# Altium PCB Layout.PcbDoc (part 2 of 2) (continued)
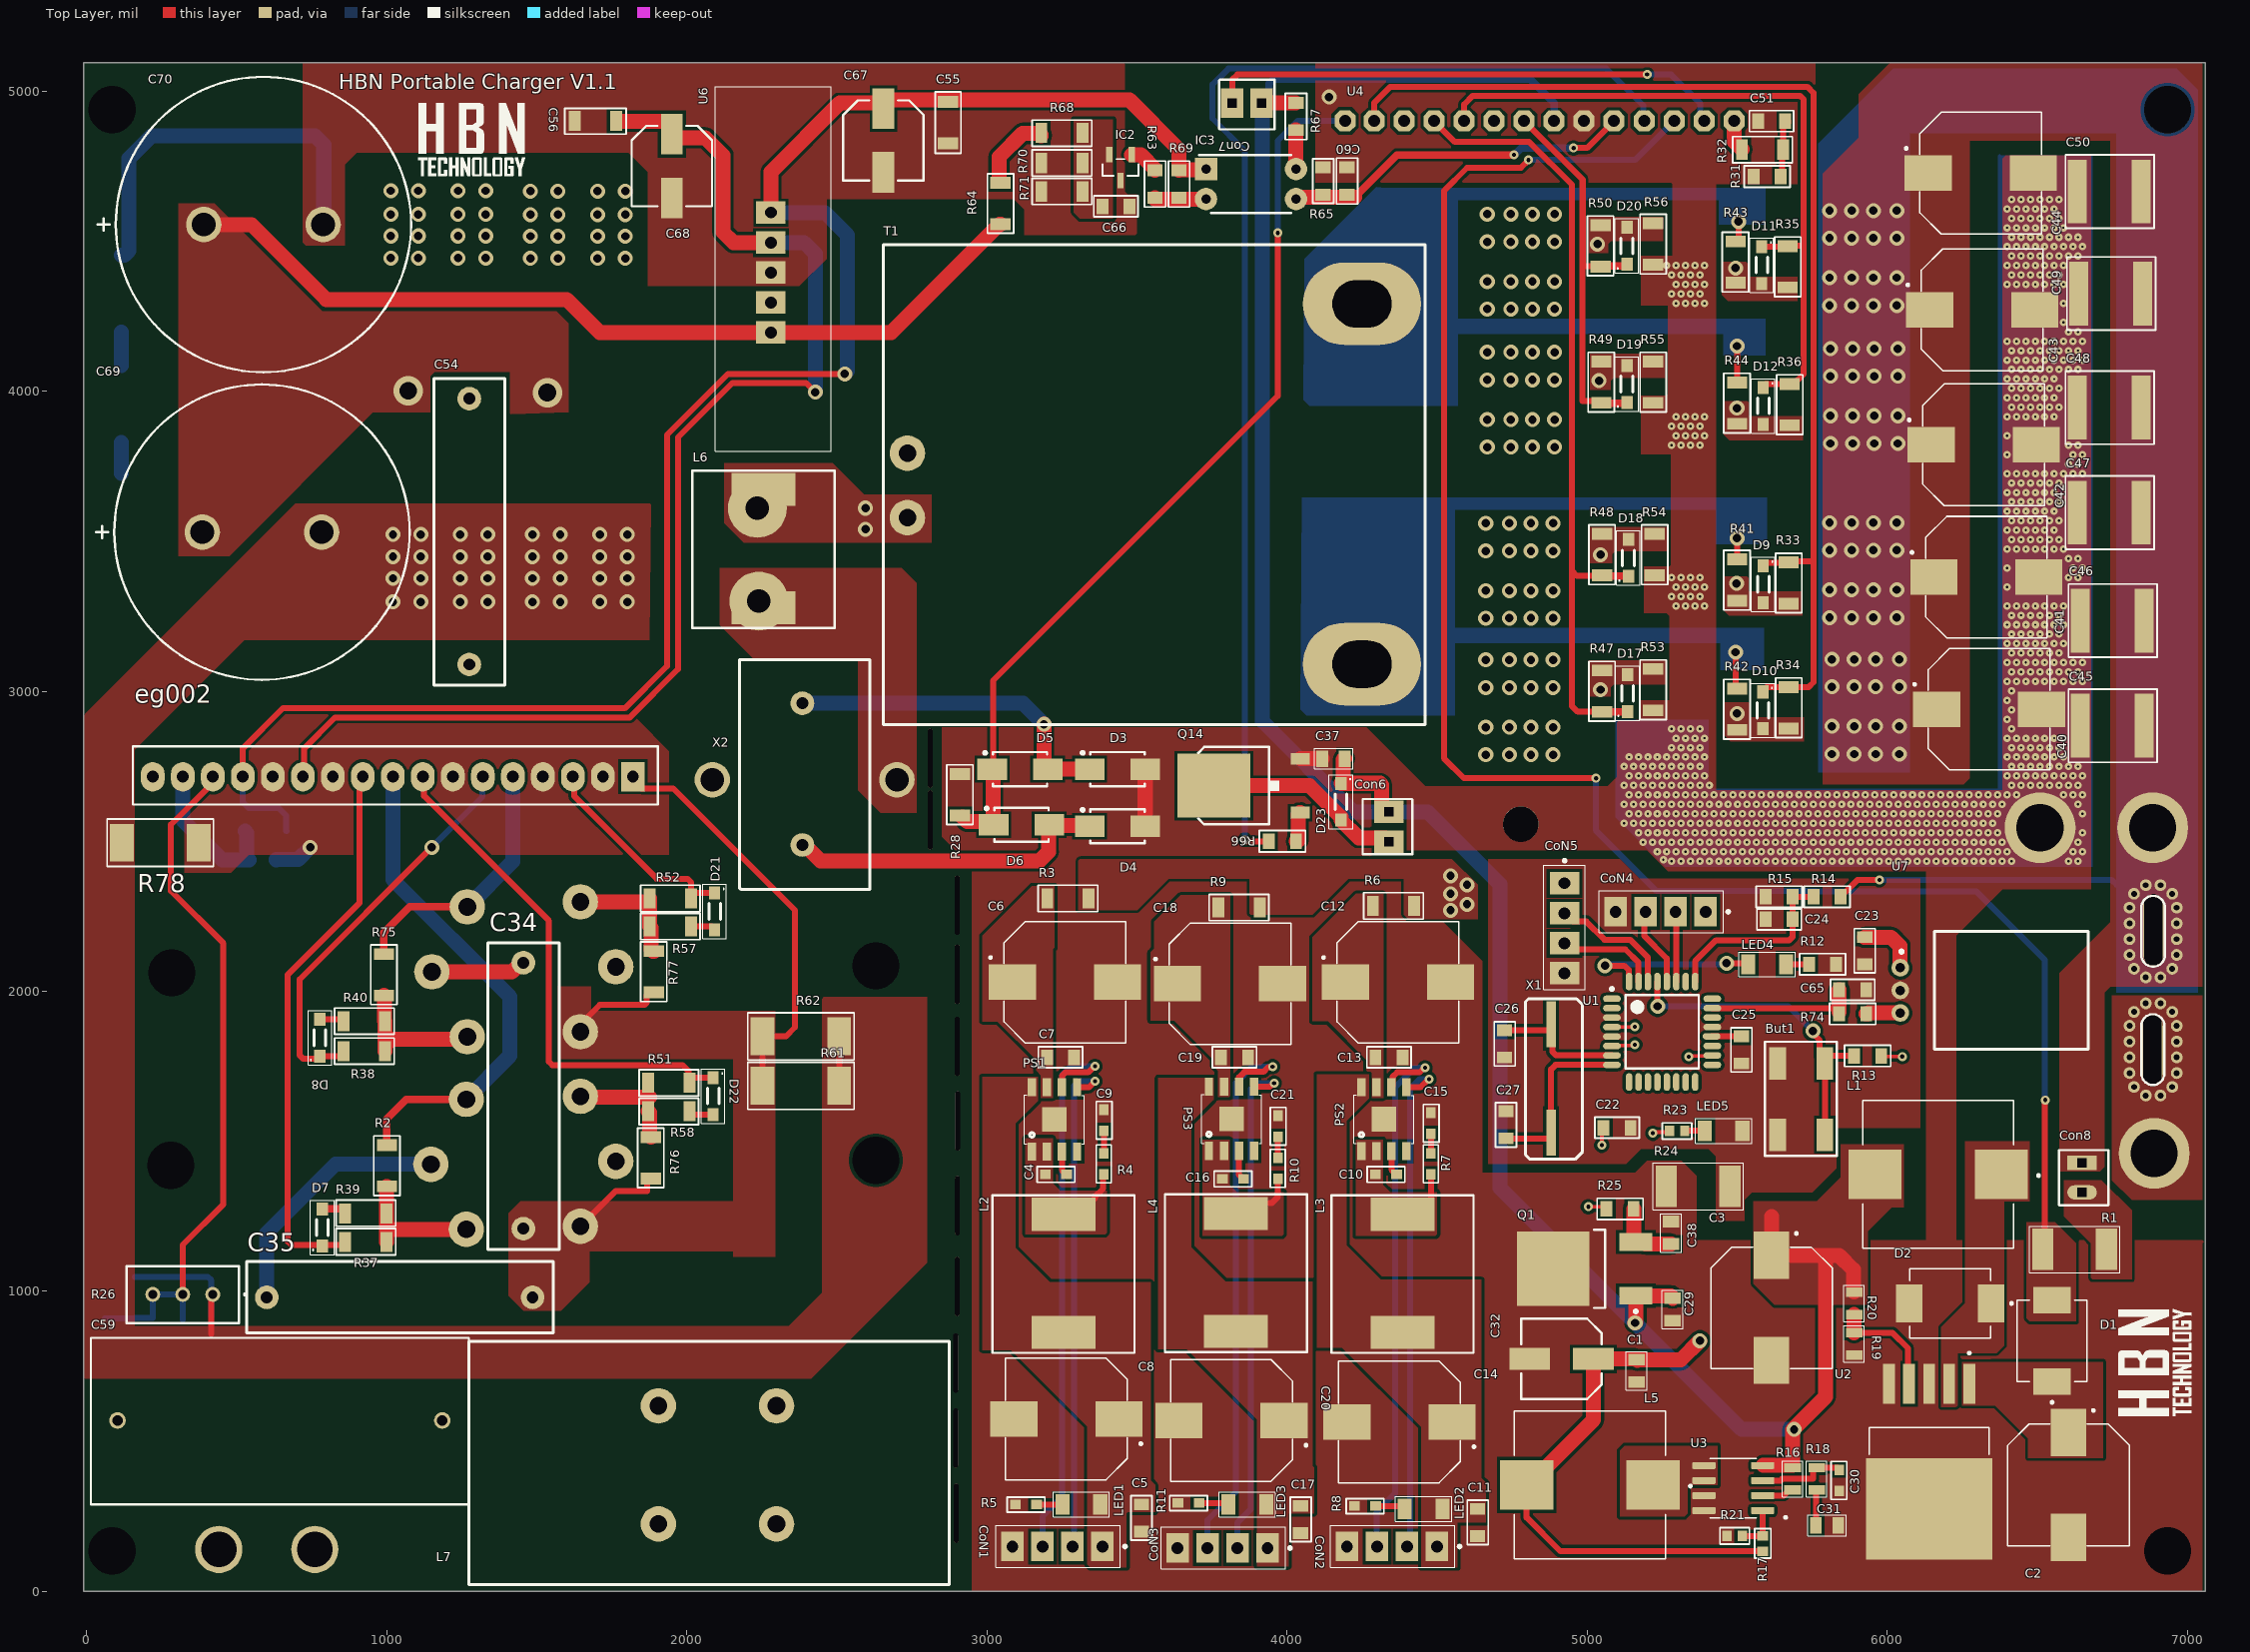
[diagram p0: Top Layer view]
## Nets (pads, with @x,y where several pads share a name; then routed paths per layer and width w, separated by ;. In a path a pad name is that pad's centre, name@x,y a point inside that pad or via, vN(x,y) a via of type N, cw(c..) or ccw(c..) an arc to the next point about the centre after c; other vN are vias at no path point) (continued)
  Top Layer w20: U1.20@5415,1850 5514.72,1850 C25.1@5515,1850.28
NetC26_2: C26.2 U1.7 X1.1 | length 434.7
  Top Layer w20: C26.2@4725,1870.28 4884.72,1870.28 4885,1870 4885,1797.98 4896.72,1786.26 U1.7@5082.68,1786.26
NetC27_2: C27.2 U1.8 X1.2 | length 584.4
  Top Layer w20: C27.2@4720,1509.72 4884.91,1509.72 X1.2@4885,1509.63 ; X1.2@4880,1529.63 4880,1740 4895,1755 5082.44,1755 U1.8@5082.68,1754.76
NetC28_2: C28.2 eg002.15 R22.1 R26.2 R26.3 R29.2 | length 2339.6
  Top Layer w20: R26.2@319.86,986.79 319.86,1154.86 455,1290 455,2160 280,2335 280,2555 420,2695 eg002.15@420,2715
  Bottom Layer w20: R29.2@60,908.9 61.1,910 158.9,910 R22.1@160,911.1 220,911.1 R26.3@220,990 R26.2@320,990 319.86,989.86 319.86,905.14 C28.2@319.72,905
NetC30_2: C30.2 R18.2 U3.3 | length 295
  Top Layer w20: U3.3@5584.81,369.79 5645.6,369.79 5650.81,375 5753.28,375 5753.28,406.65 5759.03,412.4 5834.25,412.4 5840,406.65 C30.2@5840,405.43
NetC31_2: C31.2 R18.1 | length 118.6
  Top Layer w20: C31.2@5762.6,220 5763.8,221.2 5763.8,336.4 R18.1@5765,337.6
NetC33_1: C33.1 eg002.16 R27.2 | length 518.9
  Bottom Layer w50: eg002.16@320,2715 320,2570 451.6,2438.4 C33.1@536.1,2438.4 ; R27.2@527.48,2533.4 532.79,2528.08 532.79,2441.71 C33.1@536.1,2438.4 ; C33.1@540.82,2438.4 C33.1@536.1,2438.4
NetC38_1: C38.1 Q1.3 R25.2 | length 235.4
  Top Layer w50: R25.2@5155.28,1275 5155.28,1169.09 5159.8,1164.57 Q1.3@5162.48,1164.57 5188.07,1164.57 5195.04,1157.6 C38.1@5280,1157.6
NetC51_2: C51.2 R31.2 R32.1 | length 195.4
  Top Layer w20: R31.2@5645.28,4715 5649.59,4719.31 5649.59,4800.69 R32.1@5653.9,4805 5653.9,4877.72 5670.28,4894.09 C51.2@5670.28,4900
NetC54_1: C54.1 X2.3
NetC54_2: C54.2 D14.1 D16.2
  other v2: 1013.58,4443.15 1105.12,4443.15 1237.01,4443.15 1329.53,4443.15 1013.58,4516.97 1105.12,4516.97 1237.01,4516.97 1329.53,4516.97 1013.58,4588.82 1105.12,4588.82 1237.01,4588.82 1329.53,4588.82 1013.58,4667.56 1105.12,4667.56 1237.01,4667.56 1329.53,4667.56
NetC59_1: C59.1 L7.4 pad.12@760,140
NetC66_2: C66.2 IC2.2 R68.1 R70.2 R71.2
NetCoN1_2: CoN1.2 PS1.5 | length 1681.6
  Top Layer w20: PS1.5@3300,1680 3340,1680 v3(3360,1700)
  Bottom Layer w20: CoN1.2@3285,150 3290,155 3290,1685 3305,1700 v3(3360,1700)
NetCoN1_3: CoN1.3 PS1.6 | length 1880.8
  Top Layer w20: PS1.6@3250,1680 3250,1718.28 3261.74,1730.02 3337.31,1730.02 3357.29,1750 v3(3360,1750)
  Bottom Layer w20: CoN1.3@3185,150 3185,250 3250,315 3250,1720 3280,1750 v3(3360,1750)
NetCoN2_2: CoN2.2 PS2.5 | length 1692
  Top Layer w20: PS2.5@4398.02,1680.37 4444.44,1680.37 4470.72,1706.65 v3(4473.43,1706.65)
  Bottom Layer w20: CoN2.2@4400,150 4410,160 4410,1675 4441.65,1706.65 v3(4473.43,1706.65)
NetCoN2_3: CoN2.3 PS2.6 | length 1854.6
  Top Layer w20: PS2.6@4348.02,1680.37 4351.8,1684.15 4351.8,1714.61 4367.58,1730.39 4442.68,1730.39 4457.29,1745 v3(4460,1745)
  Bottom Layer w20: CoN2.3@4300,135 4298.48,136.52 4298.48,265.6 4360,327.13 4360,1680 4425,1745 v3(4460,1745)
NetCoN3_2: CoN3.2 PS3.5 | length 1705.2
  Top Layer w20: PS3.5@3890,1681.77 3942.05,1681.77 3954.17,1693.89 v3(3956.87,1693.89)
  Bottom Layer w20: CoN3.2@3835,145 3835,230 3880,275 3880,1675 3898.89,1693.89 v3(3956.87,1693.89)
NetCoN3_3: CoN3.3 PS3.6 | length 1891.9
  Top Layer w20: PS3.6@3840,1681.77 3840,1713.28 3858.51,1731.79 3921.79,1731.79 3936.97,1746.97 3949.96,1746.97 v3(3951.87,1748.89)
  Bottom Layer w20: CoN3.3@3735,145 3734.75,145.25 3734.75,237.4 3830,332.65 3830,1695 3883.89,1748.89 v3(3951.87,1748.89)
NetCon6_1: Con6.1 D23.a Q14.4 | length 666.3
  Top Layer w50: Q14.4@3756.57,2685 4075,2685 4180,2580 D23.a@4180,2570 4238.58,2511.42 4327.6,2511.42 Con6.1@4340,2499.02
NetD2_C: D2.C L1.1 U2.2
NetD3_k: D3.k D5.a X2.1 | length 1136.5
  Top Layer w50: v2(3190,2890) 3190,2741.26 3188.74,2740 D3.k@3340.75,2740
  Bottom Layer w50: X2.1@2385,2960 3120,2960 v2(3190,2890)
NetD4_k: D4.k D6.a X2.2 | length 1082.7
  Top Layer w50: X2.2@2385,2487.56 2392.78,2487.56 2445.34,2435 3175.71,2435 3205,2464.29 3205,2552.48 D6.a@3207.52,2555 3210.02,2552.5 3339.98,2552.5 D4.k@3342.48,2550
NetD5_k: D5.k D6.k R28.1 U4.14 | length 3036.2
  Top Layer w20: D5.k@3019.98,2740 3019.98,3034.98 3969.19,3984.19 v3(3969.19,4527.19)
  Top Layer w50: R28.1@2918.46,2580.79 2933.82,2565.43 3012.05,2565.43 D6.k@3019.98,2557.5 ; D5.k@3019.98,2740 D6.k@3019.98,2557.5 ; D6.k@3022.48,2555 D6.k@3019.98,2557.5
  Bottom Layer w20: v3(3969.19,4527.19) 3969.19,4834.19 4035.56,4900.56 U4.14@4193.33,4900.56
NetD7_a: D7.a R39.1 | length 86.9
  Top Layer w25: D7.a@785,1275 853.92,1275 861.1,1267.81 R39.1@861.1,1260
NetD8_a: D8.a R40.1 | length 82
  Top Layer w20: D8.a@777.1,1907.27 848.83,1907.27 R40.1@856.1,1900
NetD9_a: D9.a Q2.1 R33.2 R41.1
  other v2: 5497.95,3359.25
NetD10_a: D10.a Q3.1 R34.2 R42.1
  other v2: 5499.71,2925.71
NetD11_a: D11.a Q4.1 R35.2 R43.1
  other v2: 5495,4410
NetD12_a: D12.a Q5.1 R36.2 R44.1
  other v2: 5499.51,3943.48
NetD13_1: D13.1 D15.2 T1.1
  other v2: 1478.58,4442.24 1570.12,4442.24 1702.01,4442.24 1794.53,4442.24 1478.58,4516.06 1570.12,4516.06 1702.01,4516.06 1794.53,4516.06 1478.58,4587.91 1570.12,4587.91 1702.01,4587.91 1794.53,4587.91 1478.58,4666.65 1570.12,4666.65 1702.01,4666.65 1794.53,4666.65
NetD17_a: D17.a Q8.1 R47.2 R53.1
  other v2: 5045,3005
NetD18_a: D18.a Q9.1 R48.2 R54.1
  other v2: 5045,3455
NetD19_a: D19.a Q10.1 R49.2 R55.1
  other v2: 5040,4035
NetD20_a: D20.a Q11.1 R50.2 R56.1
  other v2: 5035,4490
NetD21_a: D21.a R57.1 | length 84.8
  Top Layer w20: R57.1@2013.91,2216.52 2082.83,2216.52 2091.97,2207.38 D21.a@2091.97,2204.43
NetD22_a: D22.a R58.1 | length 84.2
  Top Layer w20: R58.1@2008.9,1600 2008.9,1596.99 2016.46,1589.43 D22.a@2086.97,1589.43
NetIC2_1: IC2.1 R63.1 | length 102.6
  Top Layer w50: IC2.1@3482,4788 3483,4787 3513,4787 3560,4740 R63.1@3560,4735.28
NetIC3_2: IC3.2 R63.2 R69.2 | length 174.4
  Top Layer w50: R63.2@3560,4644.72 3560,4640.59 3560.59,4640 IC3.2@3730,4640
NetIC3_4: IC3.4 R67.2 | length 129.7
  Top Layer w50: IC3.4@4030,4740 R67.2@4030,4869.72
NetL5_1: L5.1 U3.5 U3.6
NetL6_1: L6.1 pad.31@2240,3300 X2.4
NetL6_2: L6.2 pad.31@2235,3610 T1.2
  other v2: 2595,3540 2595,3610
NetLED1_1: LED1.1 R5.2 | length 86.6
  Top Layer w20: R5.2@3165.43,290 LED1.1@3252.01,290
NetLED2_1: LED2.1 R8.2 | length 114.2
  Top Layer w20: R8.2@4289.85,285 4378.39,285 4392.01,271.38 LED2.1@4392.01,265
NetLED3_1: LED3.1 R11.2 | length 99.8
  Top Layer w20: R11.2@3707.3,295 3800,295 LED3.1@3805,290
NetLED4_1: LED4.1 U1.32 | length 605.8
  Top Layer w20: v2(5060,2085) 5125,2085 5139.17,2070.83 5139.17,2052.79 5139.45,2052.51 5139.45,2032.64 U1.32@5139.76,2032.32 ; v2(5464.91,2093.53) 5533.48,2093.53 LED4.1@5537.01,2090
  Bottom Layer w20: v2(5060,2085) 5064.26,2089.26 5460.65,2089.26 v2(5464.91,2093.53)
NetLED4_2: LED4.2 R12.1 | length 76.7
  Top Layer w20: LED4.2@5662.99,2090 R12.1@5739.72,2090
NetLED5_2: LED5.2 R23.1 | length 66.4
  Top Layer w20: R23.1@5325.59,1535 LED5.2@5392.01,1535
NetQ6_1: Q6.1 R2.2 R37.2 R39.2 | length 451.6
  Top Layer w50: R37.2@998.9,1165 998.9,1206.93 ; R2.2@1000,1350 999.45,1349.45 999.45,1260.55 R39.2@998.9,1260 998.9,1206.93 ; Q6.1@1265,1206.93 998.9,1206.93
NetQ7_1: Q7.1 R38.2 R40.2 R75.2 | length 472.6
  Top Layer w50: R75.2@990,1986.1 991.95,1984.15 991.95,1901.95 R40.2@993.9,1900 R38.2@993.9,1800 ; R38.2@995,1820 1015,1840 1259.65,1840 Q7.1@1268.11,1848.46
NetQ12_1: Q12.1 R51.2 R58.2 R76.2 | length 338.2
  Top Layer w50: Q12.1@1633.46,1638.46 Q12.1@1645,1650 1647.5,1647.5 1876.1,1647.5 ; R58.2@1871.1,1600 1875.55,1595.55 1875.55,1518.35 R76.2@1880,1513.9
NetQ13_1: Q13.1 R52.2 R57.2 R77.2 | length 418.4
  Top Layer w50: Q13.1@1645,2298.07 1867.32,2298.07 R52.2@1876.1,2306.85 ; R57.2@1876.12,2216.52 1881.43,2211.21 1881.43,2139.32 1886.85,2133.9 R77.2@1890,2133.9 ; R57.2@1876.12,2216.52 R52.2@1876.1,2306.85 ; R52.2@1876.1,2310 R52.2@1876.1,2306.85
NetQ14_1: Q14.1 R66.2 | length 104.4
  Top Layer w50: R66.2@4030.28,2500 4035,2500 4037.49,2502.49 4037.49,2589.93 4042.8,2595.24 Q14.1@4043.98,2595.24
NetR16_1: R16.1 U3.2 | length 107.6
  Top Layer w20: U3.2@5584.81,319.79 5655.38,319.79 5673.19,337.6 R16.1@5685,337.6
NetR17_1: R17.1 R21.2 U3.1 | length 152
  Top Layer w20: R21.2@5517.61,184.79 5518.01,185.19 5584.6,185.19 R17.1@5585,185.59 5585,269.6 U3.1@5584.81,269.79
NetR19_2: R19.2 R20.1 U2.4 | length 380.9
  Top Layer w20: R19.2@5890,862.4 6017.6,862.4 6070,810 6070,695.39 U2.4@6073.07,692.32
  Top Layer w50: R19.2@5890,862.4 R20.1@5890,922.6
NetR30_1: R30.1 R45.2 | length 112.2
  Bottom Layer w50: R45.2@115,4197.05 115.36,4196.69 115.36,4085.46 R30.1@115.71,4085.1
NetR30_2: R30.2 R73.1 | length 104.5
  Bottom Layer w50: R73.1@115,3725 115.36,3725.36 115.36,3828.84 R30.2@115.71,3829.2
NetR32_2: R32.2 U4.1 | length 105.8
  Top Layer w50: U4.1@5490,4900 5490,4831.1 R32.2@5516.1,4805
NetR64_1: R64.1 R68.2 | length 253.1
  Top Layer w50: R64.1@3040,4705 3040,4780 3118.9,4858.9 3175.35,4858.9 3180.67,4853.58 R68.2@3180.67,4851.02
NetR74_1: R74.1 U7.3 | length 115
  Top Layer w50: R74.1@5930.28,1925 5935,1925 5937.95,1927.95 U7.3@6044.02,1927.95
RX: CoN5.2 U1.30 | length 419
  Top Layer w20: CoN5.2@4925,2260 4952.4,2232.6 4997.4,2232.6 5058.28,2171.72 5143.51,2171.72 5202.76,2112.47 U1.30@5202.76,2032.32
SCL: CoN4.3 U1.28 | length 279.1
  Top Layer w20: CoN4.3@5190,2280 5190,2185 5265.75,2109.25 U1.28@5265.75,2032.32
SDA: CoN4.2 U1.27 | length 247.7
  Top Layer w20: CoN4.2@5285,2275 5297.24,2262.76 U1.27@5297.24,2032.32
T1: Q2.2 Q3.2 Q8.3 Q9.3 R41.2 R42.2 T1.3 U4.12 | length 194.3
  Top Layer w20: v2(5495,3130) 5495,3013.9 R42.2@5500,3008.9 ; R41.2@5500,3438.9 v2(5500,3510)
  other v2: 4662.44,2788.58 4741.18,2788.58 4813.03,2788.58 4886.85,2788.58 4662.44,2880.12 4741.18,2880.12 4813.03,2880.12 4886.85,2880.12 4662.44,3012.01 4741.18,3012.01 4813.03,3012.01 4886.85,3012.01 4662.44,3104.53 4741.18,3104.53 4813.03,3104.53 4886.85,3104.53 4662.44,3243.58 4741.18,3243.58 4813.03,3243.58 4886.85,3243.58 4662.44,3335.12 4741.18,3335.12 4813.03,3335.12 4886.85,3335.12 4662.44,3467.01 4741.18,3467.01 4813.03,3467.01 4886.85,3467.01 4662.44,3559.53 4741.18,3559.53 4813.03,3559.53 4886.85,3559.53
T2: Q4.2 Q5.2 Q10.3 Q11.3 R43.2 R44.2 T1.4 U4.9 | length 191.5
  Top Layer w20: R43.2@5495,4498.9 5495.31,4498.9 5505,4508.58 v2(5505,4565) ; R44.2@5500,4028.9 v2(5500,4150)
  other v2: 4667.44,3813.58 4746.18,3813.58 4818.03,3813.58 4891.85,3813.58 4667.44,3905.12 4746.18,3905.12 4818.03,3905.12 4891.85,3905.12 4667.44,4037.01 4746.18,4037.01 4818.03,4037.01 4891.85,4037.01 4667.44,4129.53 4746.18,4129.53 4818.03,4129.53 4891.85,4129.53 4667.44,4273.58 4746.18,4273.58 4818.03,4273.58 4891.85,4273.58 4667.44,4365.12 4746.18,4365.12 4818.03,4365.12 4891.85,4365.12 4667.44,4497.01 4746.18,4497.01 4818.03,4497.01 4891.85,4497.01 4667.44,4589.53 4746.18,4589.53 4818.03,4589.53 4891.85,4589.53
TX: CoN5.3 U1.31 | length 336.5
  Top Layer w20: CoN5.3@4925,2160 4945.11,2139.89 5127.41,2139.89 5171.25,2096.05 U1.31@5171.25,2032.33
"USB 1": C5.2 C8.1 CoN1.1 L2.1 LED1.2 PS1.8
"USB 2": C11.2 C14.1 CoN2.1 L3.1 LED2.2 PS2.8
"USB 3": C17.2 C20.1 CoN3.1 L4.1 LED3.2 PS3.8
VFB: C60.1 IC3.3 R65.1 U4.5 | length 1167.7
  Top Layer w20: v3(4955,4810) 5000,4810 U4.5@5090,4900
  Top Layer w25: R65.1@4225,4645.28 4366.8,4787.08 v3(4756.55,4787.08)
  Top Layer w50: IC3.3@4030,4640 4034.75,4644.75 4052.28,4644.75 4052.81,4645.28 4125,4645.28 4200,4645.28 R65.1@4225,4645.28
  Bottom Layer w25: v3(4756.55,4787.08) 4757.9,4787.08 4780.82,4810 v3(4955,4810)
VFBAC: C59.2 L7.3 R29.1
VS12: eg002.5 L7.1 Q7.3 Q13.2 R75.1 | length 900.8
  Top Layer w20: L7.1@2298.7,618.7 L7.1@2299.35,619.35
  Top Layer w25: R75.1@990,2123.9 990,2195 1076.54,2281.54 Q7.3@1268.11,2281.54
  Top Layer w50: Q7.3@1255.08,2268.5 Q7.3@1268.11,2281.54
  Bottom Layer w50: Q7.3@1268.11,2281.54 1420,2433.43 eg002.5@1420,2715
VS22: eg002.9 L7.2 Q6.3 Q12.2 R2.1 | length 1675.7
  Top Layer w25: R2.1@1000,1487.8 1000,1575 1065,1640 Q6.3@1265,1640
  Bottom Layer w50: eg002.9@1020,2715 1020,2372.15 1410,1982.15 1410,1785 Q6.3@1265,1640
pads on no net: eg002.17 PS1.4 PS2.4 PS3.4 Q6.4 Q7.4 Q12.4 Q13.4 U1.1 U1.2 U1.9 U1.10 U1.11 U1.12 U1.13 U1.14 U1.15 U1.16 U1.17 U1.19 U1.22 U1.24 U1.26 U6.2

## Polygon pours and split planes (outlines as drawn)
IFBCOM on Top Layer "IFBCOM_L01_P056" (solid, pour order 56): 1675,1134.47 1675,1030 1580,935 1455,935 1405,985 1405,1260 1445,1300 2185,1300 2185,1134.47
GND2 on Top Layer "GND2_L01_P086" (solid, remove dead copper, pour order 86): 325,2575 270,2630 270,2755 485,2970 1770,2970 1940,2800 1940,2455 540,2455 480,2395 325,2395
NetD2_C on Top Layer "NETD2_C_L01_P066" (solid, pour order 66): 6475,1500 6260,1500 6260,960 6180,880 6180,615 6230,615 6235,620 6235,795 6365,795 6390,820 6390,1300 6475,1300
GND on Top Layer "GND_L01_P081" (solid, pour order 81): 6130,1170 6130,2542.59 6247.41,2660 6680,2660 6680,2340 6385,2340 6230,2185 6230,1170 7050,1170 7055,1165 7050,1160 7050,0 2950,0 2950,2555 4195,2555 4650,2100 4650,1395 5160,1395 5200,1435 5315,1435 5365,1385 5365,1170
GND on Top Layer "GND_L01_P082" (solid, pour order 82): 5430,1235 5430,1450 5405,1475 5180,1475 5130,1425 4670,1425 4670,2030 4670,2440 5110,2440 5175,2375 6110,2375 6110,1545 5830,1545 5830,1410 5750,1330 5550,1330 5525,1305 5525,1235
24V_2 on Top Layer "24V_2_L01_P080" (solid, pour order 80): 3500,2270 3605,2375 3875,2375 3875,2260 3880,2255 4085,2255 4205,2375 4390,2375 4390,2255 4405,2240 4635,2240 4635,2355 4550,2440 3305,2440 3305,2270
NetC12_1 on Top Layer "NETC12_1_L01_P079" (solid, pour order 79): 4085,2180 4230,2325 4320.77,2325 4320.77,1645.2 4280.77,1645.2 4280.77,1720.2 4265.22,1735.75 4265.22,1770.75 4135.77,1900.2 4085,1900.2
NetC18_1 on Top Layer "NETC18_1_L01_P078" (solid, pour order 78): 3557.7,2142.7 3557.7,2232.7 3645,2320 3809.68,2320 3809.68,2142.7 3809.68,1647.7 3769.68,1647.7 3769.68,1735.32 3754.13,1750.87 3754.13,1773.25 3624.68,1902.7 3545,1902.7 3545,2130
NetC6_1 on Top Layer "NETC6_1_L01_P077" (solid, pour order 77): 3220,2140 3225,2145 3225,2350 3150,2350 2985,2185 2985,1900 3035,1900 3164.45,1770.55 3164.45,1735.55 3180,1720 3180,1645 3220,1645
"USB 2" on Top Layer "USB_2_L01_P076" (solid, pour order 76): 4272.89,1723.22 4100,1723.22 4100,813.22 4182.89,813.22 4447.89,548.22 4447.89,80 4567.89,80 4567.89,230 4662.89,230 4662.89,363.22 4647.89,378.22 4647.89,1038.22 4312.89,1038.22 4197.89,1153.22 4197.89,1568.22 4272.89,1643.22
"USB 3" on Top Layer "USB_3_L01_P075" (solid, pour order 75): 3755.07,1711.22 3570.07,1711.22 3570.07,807.98 3665.07,807.98 3900,573.05 3900,82.98 4005,82.98 4005,260 4090,260 4090,413.05 4085,418.05 4085,1032.98 3795.07,1032.98 3680.07,1147.98 3680.07,1562.98 3755.07,1637.98
"USB 1" on Top Layer "USB_1_L01_P074" (solid, pour order 74): 3170,1715 2985,1715 2985,805 3080,805 3335,550 3335,90 3345,80 3465,80 3465,260 3470,265 3560,265 3560,355 3545,370 3545,1030 3210,1030 3095,1145 3095,1560 3170,1635
NetC4_2 on Top Layer "NETC4_2_L01_P073" (solid, pour order 73): 3128.91,1510.52 3218.91,1510.52 3218.91,1360.52 3243.91,1335.52 3398.91,1335.52 3398.91,1195.52 3393.91,1190.52 3128.91,1190.52 3128.91,1425.52
NetC16_2 on Top Layer "NETC16_2_L01_P072" (solid, pour order 72): 3718.91,1505.52 3808.91,1505.52 3808.91,1355.52 3833.91,1330.52 3988.91,1330.52 3988.91,1190.52 3983.91,1185.52 3718.91,1185.52 3718.91,1420.52
NetC10_2 on Top Layer "NETC10_2_L01_P071" (solid, pour order 71): 4230,1505 4320,1505 4320,1355 4345,1330 4500,1330 4500,1190 4495,1185 4230,1185 4230,1420
NetL5_1 on Top Layer "NETL5_1_L01_P069" (solid, pour order 69): 5435,355 5335,355 5335,260 5325,250 5110,250 5110,470 5125,485 5435,485
12v on Top Layer "12V_L01_P068" (solid, pour order 68): 6055,1490 5845,1490 5845,1380 5765,1300 5555,1300 5555,1025 5625,955 5935,955 5935,1200 6015,1280 6055,1280
NetC2_1 on Top Layer "NETC2_1_L01_P067" (solid, pour order 67): 6250,765 6720,765 6720,445 6470,445 6470,510 6360,620 6250,620
24V_1 on Top Layer "24V_1_L01_P065" (solid, pour order 65): 6560,1230 6465,1230 6465,910 6475,900 6630,900 6630,1160
24V_2 on Top Layer "24V_2_L01_P064" (solid, pour order 64): 6590,1370 6715,1370 6815,1270 6815,1040 6685,1040 6680,1045 6680,1160 6590,1250
GND2 on Top Layer "GND2_L01_P058" (solid, pour order 58): 1880.42,3625 835,3625 695,3625 -10,2920 -10,710 2415,710 2800,1095 2800,1980 2455,1980 2450,1975 2450,995 2340,885 160,885 160,2805 525,3170 1875,3170
IFBCOM on Top Layer "IFBCOM_L01_P057" (solid, pour order 57): 2295,1935 2295,1115 2155,1115 2155,1935
IFBCOM on Top Layer "IFBCOM_L01_P055" (solid, pour order 55): 1570,2015 1680,2015 1680,1935 2200,1935 2200,1775 1570,1775
GND2 on Top Layer "GND2_L01_P046" (solid, pour order 46): 720,5095 3460,5095 3460,4730 3460,4665 3470,4655 3500,4655 3500,4525 3495,4520 3125,4520 3125,4605 3090,4640 2465,4640 2465,4440 2375,4350 2040,4350 1870,4350 1870,4730 1805,4795 900,4795 860,4755 860,4485 730,4485 720,4495
400V on Top Layer "400V_L01_P045" (solid, pour order 45): 1605,3928.68 1605,4225 1565,4265 785,4265 425,4625 305,4625 305,3450 475,3450 953.68,3928.68 1145,3928.68 1145,4050 1160,4065 1410,4065 1410,3922.94
NetL6_1 on Top Layer "NETL6_1_L01_P035" (solid, pour order 35): 2765,3360 2715,3410 2110,3410 2110,3220 2220,3110 2570,3110 2570,2670 2645,2595 2765,2595
NetL6_2 on Top Layer "NETL6_2_L01_P034" (solid, pour order 34): 2815,3655 2590,3655 2485,3760 2125,3760 2125,3560 2190,3495 2815,3495
NetC66_2 on Top Layer "NETC66_2_L01_P033" (solid, pour order 33): 3420,4905 3290,4905 3290,4595 3310,4575 3420,4575
NetD10_a on Top Layer "NETD10_A_L01_P025" (solid, pour order 25): 5722.69,2912.65 5542.69,2912.65 5542.69,2957.65 5537.69,2962.65 5457.69,2962.65 5457.69,2852.65 5477.69,2832.65 5722.69,2832.65
NetD9_a on Top Layer "NETD9_A_L01_P024" (solid, pour order 24): 5717.69,3332.65 5537.69,3332.65 5537.69,3377.65 5532.69,3382.65 5452.69,3382.65 5452.69,3272.65 5472.69,3252.65 5717.69,3252.65
NetD17_a on Top Layer "NETD17_A_L01_P023" (solid, pour order 23): 5078.47,2982.07 5078.47,3012.07 5088.47,3022.07 5260.97,3022.07 5260.97,3102.07 5005.97,3102.07 5005.97,2982.07
NetD18_a on Top Layer "NETD18_A_L01_P022" (solid, pour order 22): 5083.47,3427.07 5083.47,3457.07 5093.47,3467.07 5265.97,3467.07 5265.97,3547.07 5010.97,3547.07 5010.97,3427.07
NetD12_a on Top Layer "NETD12_A_L01_P021" (solid, pour order 21): 5718.96,3916.91 5538.96,3916.91 5538.96,3961.91 5533.96,3966.91 5453.96,3966.91 5453.96,3856.91 5473.96,3836.91 5718.96,3836.91
NetD11_a on Top Layer "NETD11_A_L01_P020" (solid, pour order 20): 5715,4380 5535,4380 5535,4425 5530,4430 5450,4430 5450,4320 5470,4300 5715,4300
NetD19_a on Top Layer "NETD19_A_L01_P016" (solid, pour order 16): 5077.78,4004.61 5077.78,4034.61 5087.78,4044.61 5260.28,4044.61 5260.28,4124.61 5010,4124.61 5010,4004.61
NetD20_a on Top Layer "NETD20_A_L01_P015" (solid, pour order 15): 5070,4460 5070,4490 5080,4500 5252.5,4500 5252.5,4580 5005,4580 5005,4460
24V on Top Layer "24V_L01_P004" (solid, pour order 4): 7050,1985 6750,1985 6750,1370 6815,1305 7050,1305
GND on Top Layer "GND_L01_P003" (solid, pour order 3): 5285,4690 5280,4695 4095,4695 4095,5095 5760,5095 5760,4750 5700,4690 5430,4690 5430,2670 6385,2670 6385,4775 6395,4785 6680,4785 6680,2400 5270,2400 5199.31,2470.69 2894.31,2470.69 2850,2515 2850,2880 4265,2880 4461.8,2683.2 5068.2,2683.2 5100,2715 5100,2900 5105,2905 5175,2905 5175,2965 5180,2970 5275,2970 5275,3250 5265,3260 5190,3260 5190,3415 5275,3415 5280,3420 5280,3790 5180,3790 5180,3985 5265,3985 5270,3990 5270,4285 5180,4285 5180,4450 5285,4450 5285,4645
24V on Top Layer "24V_L01_P000" (solid, pour order 0): 6745,2230 6575,2060 6575,1400 6710,1400 6725,1415 6725,1995 6745,2015 7050,2015 7050,5095 6010,5095 5905,4990 5905,4845 5785,4725 5785,2690 6255,2690 6275,2710 6275,4835 6745,4835
VS12 on Bottom Layer "VS12_L02_P051" (solid, pour order 51): 1207.36,2257.64 1250,2215 1415,2215 1625.82,2004.18 1831.86,2004.18 2220,1616.03 2220,575 2255,540 2375,540 2375,1720 1940.82,2154.18 1640.82,2154.18 1450,2345 1246.43,2345 1207.36,2305.93
VS22 on Bottom Layer "VS22_L02_P054" (solid, pour order 54): 1320,1555 1520,1355 1580,1355 1580,1504.44 1365,1719.44 1200,1719.44 1200,1555
GND on Bottom Layer "GND_L02_P085" (solid, pour order 85): 4095,5095 4095,4835 5755,4835 5755,5095
24V_2 on Bottom Layer "24V_2_L02_P084" (solid, pour order 84): 6590,1365 6720,1365 6720,1360 6835,1245 6835,0 5005,0 4505,500 4505,2440 4550,2440 4640,2350 4640,924.59 5174.59,390 6580,390
5v on Bottom Layer "5V_L02_P083" (solid, pour order 83): 5340,804.84 4815,1329.84 4815,2440 4975,2440 5100,2315 6045,2315 6140,2220 6140,809.12
NetC59_1 on Bottom Layer "NETC59_1_L02_P063" (solid, pour order 63): 1985,400 1845,400 1630,615 675,615 675,40 1985,40
VFBAC on Bottom Layer "VFBAC_L02_P062" (solid, pour order 62): 530,664.38 530,40 15,40 15,830 1850,830 1975,705 1975,510 1850,510 1695.62,664.38
VS22 on Bottom Layer "VS22_L02_P052" (solid, pour order 52): 1365,1510 1502.29,1356.66 1841.01,1356.66 2040,1157.67 2040,300 2200,140 2375,140 2375,305 2290,305 2175,420 2175,1225 1893.34,1506.66
400V on Bottom Layer "400V_L02_P048" (solid, pour order 48): 0,3330 255,3585 255,4690 480,4690 480,3160 255,2935 255,2535 660,2130 1175,2130 1210,2095 1210,2030 1180,2000 1150,2000 1150,1490 1220,1490 1220,1345 540,1345 0,1885
400V on Bottom Layer "400V_L02_P044" (solid, pour order 44): 1603.59,3935.85 1603.59,4225.85 1598.59,4230.85 1478.59,4230.85 1478.59,3955.85 1498.59,3935.85
400V on Bottom Layer "400V_L02_P043" (solid, pour order 43): 1135,3940 1135,4230 1130,4235 1010,4235 1010,3960 1030,3940
GND2 on Bottom Layer "GND2_L02_P042" (solid, pour order 42): 1145,3585 1145,3905 870,3905 870,4635 700,4635 700,3375 900,3175 1880,3175 1880,3600 1595,3600 1595,3905 1470,3905 1470,3585
NetL6_2 on Bottom Layer "NETL6_2_L02_P041" (solid, pour order 41): 2815,3655 2520,3655 2515,3650 2515,3500 2815,3500
NetC54_2 on Bottom Layer "NETC54_2_L02_P040" (solid, pour order 40): 1345,3730 1345,4345 1400,4400 1400,4785 945,4785 945,4390 1110,4390 1205,4295 1205,3730
NetD13_1 on Bottom Layer "NETD13_1_L02_P039" (solid, pour order 39): 2825,3865 2745,3945 2050,3945 1865,4130 1865,4785 1421.19,4785 1421.19,4355 1595,4355 1675,4275 1675,3720 2815,3720 2825,3730
NetC54_1 on Bottom Layer "NETC54_1_L02_P036" (solid, pour order 36): 1200,3150 1835,3150 2160,2825 2160,2605 2040,2605 1995,2650 1995,2770 1745,3020 1200,3020
T1 on Bottom Layer "T1_L02_P008" (solid, pour order 8): 3970,3575 3970,4440 4350,4820 4350,4945 4430,4945 4430,4855 4000,4425 4000,3675 5640,3675 5640,3430 5290,3430 5290,3565 5005,3565 4975,3540 4975,3235 5605,3235 5605,2980 5590,2995 5290,2995 5290,3105 4975,3105 4975,2670 4320,2670 3970,3020
T2 on Bottom Layer "T2_L02_P007" (solid, pour order 7): 4652.44,4745 4652.44,4945 4727.26,4945 4727.26,4745 5625,4745 5625,4480 5610,4465 5305,4465 5305,4610 4970,4610 4970,4260 5625,4260 5625,3990 5310,3990 5310,4140 4970,4140 4970,3745 4024.22,3745 4031.16,4411.16 4365,4745
NetD10_a on Bottom Layer "NETD10_A_L02_P031" (solid, pour order 31): 5444.12,2945.57 5444.12,2800.57 5589.12,2800.57 5589.12,2930.57 5574.12,2945.57
NetD9_a on Bottom Layer "NETD9_A_L02_P030" (solid, pour order 30): 5439.12,3400.57 5439.12,3255.57 5584.12,3255.57 5584.12,3385.57 5569.12,3400.57
NetD12_a on Bottom Layer "NETD12_A_L02_P029" (solid, pour order 29): 5433.75,3969.16 5433.75,3824.16 5578.75,3824.16 5578.75,3954.16 5563.75,3969.16
NetD11_a on Bottom Layer "NETD11_A_L02_P028" (solid, pour order 28): 5440,4440 5440,4295 5585,4295 5585,4425 5570,4440
NetD17_a on Bottom Layer "NETD17_A_L02_P027" (solid, pour order 27): 5008.95,2974.27 5083.95,2974.27 5083.95,3004.27 5088.95,3009.27 5263.95,3009.27 5263.95,3099.27 5008.95,3099.27
NetD18_a on Bottom Layer "NETD18_A_L02_P026" (solid, pour order 26): 5008.95,3424.27 5083.95,3424.27 5083.95,3454.27 5088.95,3459.27 5263.95,3459.27 5263.95,3549.27 5008.95,3549.27
NetD19_a on Bottom Layer "NETD19_A_L02_P019" (solid, pour order 19): 5004.15,4003.2 5079.15,4003.2 5079.15,4033.2 5084.15,4038.2 5259.15,4038.2 5259.15,4128.2 5004.15,4128.2
NetD20_a on Bottom Layer "NETD20_A_L02_P014" (solid, pour order 14): 4995,4460 5070,4460 5070,4490 5075,4495 5250,4495 5250,4585 4995,4585
24V on Bottom Layer "24V_L02_P013" (solid, pour order 13): 7051.15,2017.3 7051.15,5097.3 6011.15,5097.3 5876.15,4962.3 5876.15,4862.3 5751.15,4737.3 5751.15,2712.3 6276.15,2712.3 6276.15,4837.3 6746.15,4837.3 6746.15,2017.3
GND on Bottom Layer "GND_L02_P012" (solid, pour order 12): 5106.12,4434.84 5405,4434.84 5405,4284.84 5106.12,4284.84
GND on Bottom Layer "GND_L02_P011" (solid, pour order 11): 5105.02,3941.74 5410,3941.74 5410,3791.74 5105.02,3791.74
GND on Bottom Layer "GND_L02_P010" (solid, pour order 10): 5105,3405 5405,3405 5405,3255 5105,3255

## Other copper
Bottom Layer:
  region net 24V: 6765,4860 6765,1995 7035,1995 7035,5005 6965,5075 6020,5075 5770,4825 5770,2730 6075,2730 6075,4860
  region net GND: 6665,4785 6665,2415 5260,2415 5100,2575 5100,2905 5391.51,2905 5391.51,2640 6380,2640 6380,4785
  region net GND: 5095,2905 5095,2580 5260,2415 6685,2415 6685,4785 6380,4785 6375,4790 6370,4785 6370,2675 5418.25,2675 5405,2688.24 5405,2905 5235,2905
  region net T2: 4057.62,4440.09 4297.53,4680 4330,4676.11 5595,4676.11 5595,4555 5439.29,4555 5439.29,4636.11 4569.29,4636.11 4569.29,4241.11 5595,4241.11 5595,4120 5454.29,4120 5454.29,4191.11 4569.29,4191.11 4569.29,3951.11 4074.29,3951.11 4054.29,3971.11
  region net T1: 5430,3605 5430,3490 5600,3490 5600,3645 4050,3645 4045,2940 4065,2920 4560,2920 4560,3160 5445,3160 5445,3070 5590,3070 5590,3210 4560,3210 4560,3605

## Silkscreen, mask and mechanical layers (free items; w line width, h text height)
Top Overlay:
  drawing of 26 lines, arcs and shapes, not listed
  text "HBN Portable Charger V1.1" at 840,5006.66 h50
Mechanical 1:
  the board outline again, w10